# KiCad board vectorscope.kicad_pcb
title: Vectorscope Supercon.7 Badge; company: Hackaday
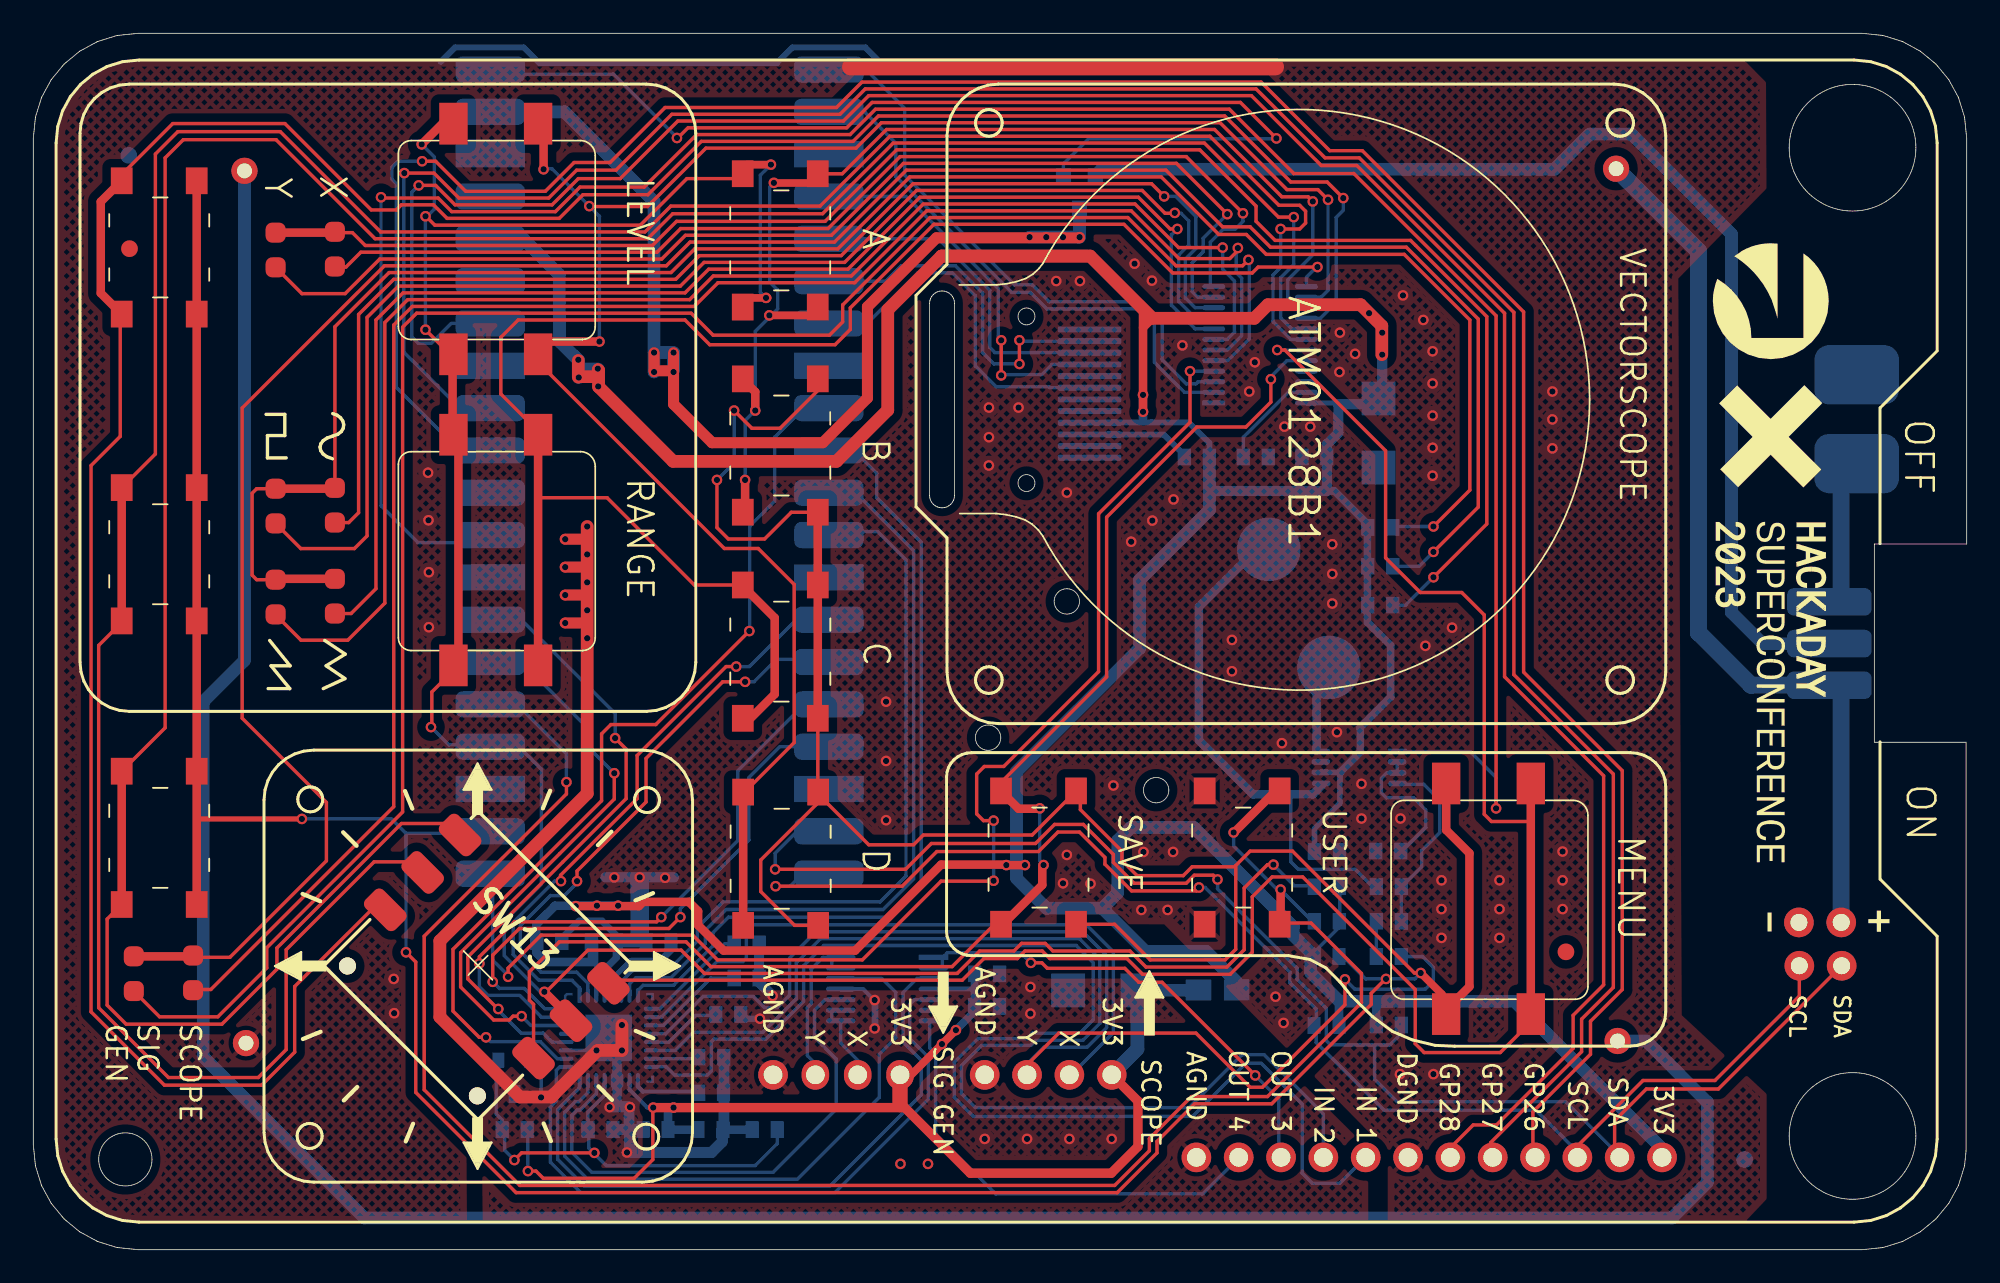
[diagram p0: board, top side]
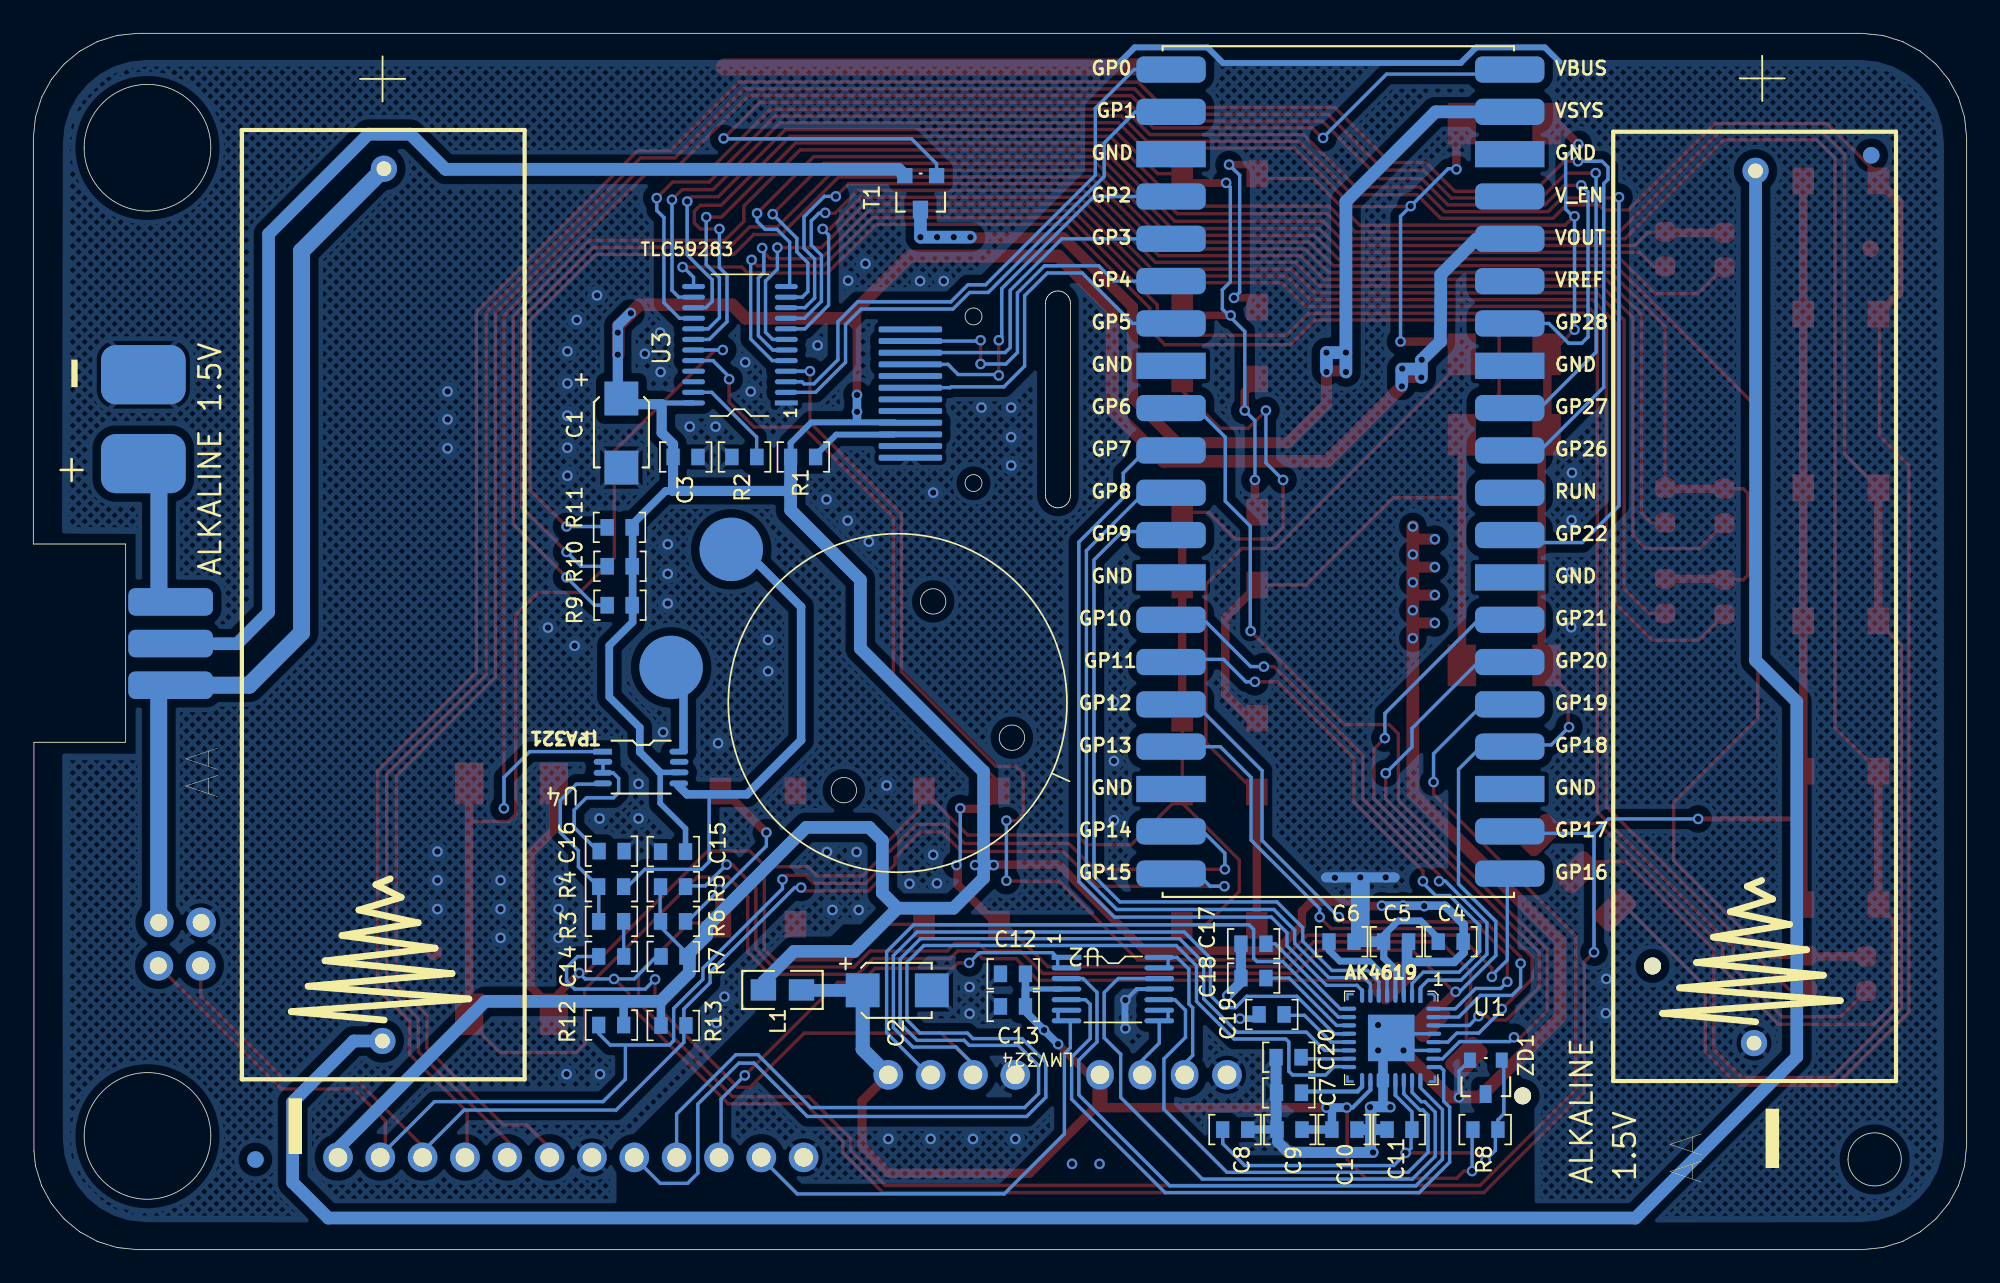
[diagram p1: board, bottom side, seen from below]

Outline 116 x 73 mm; copper layers: Top Layer, Bottom Layer. Coordinates in mm from the lower left corner of the outline.
Outline path: circle c57.29,30.73 r0.76 ; circle c59.59,56.01 r0.51 ; circle c59.59,46.01 r0.51 ; circle c62.01,38.91 r0.76 ; circle c67.37,27.58 r0.76 ; 0,66.72 0,6.28 0.13,5.02 0.5,3.84 1.08,2.78 1.85,1.85 2.78,1.08 3.84,0.5 5.02,0.13 6.28,0 109.72,0 110.98,0.13 112.16,0.5 113.22,1.08 114.15,1.85 114.92,2.78 115.5,3.84 115.87,5.02 115.96,5.91 115.96,30.45 110.46,30.45 110.46,42.35 116,42.35 116,66.72 115.87,67.98 115.5,69.16 114.92,70.22 114.15,71.15 113.22,71.92 112.16,72.5 110.98,72.87 109.72,73 6.28,73 5.02,72.87 3.84,72.5 2.78,71.92 1.85,71.15 1.08,70.22 0.5,69.16 0.13,67.98 0,66.72 ; 3.92,5.41 arc(5.52,7.01) 7.12,5.41 arc(5.52,3.81) 3.92,5.41 ; 53.77,56.79 53.79,56.94 53.83,57.08 53.9,57.21 53.99,57.32 54.1,57.41 54.23,57.48 54.37,57.52 54.52,57.54 54.67,57.52 54.81,57.48 54.94,57.41 55.05,57.32 55.14,57.21 55.21,57.08 55.26,56.94 55.27,56.79 55.27,45.27 55.26,45.12 55.21,44.98 55.14,44.85 55.05,44.74 54.94,44.65 54.81,44.58 54.67,44.54 54.52,44.52 54.37,44.54 54.23,44.58 54.1,44.65 53.99,44.74 53.9,44.85 53.83,44.98 53.79,45.12 53.77,45.27 53.77,56.79 ; 105.35,66.14 arc(109.15,69.94) 112.95,66.14 arc(109.15,62.34) 105.35,66.14 ; 105.35,6.83 arc(109.15,10.63) 112.95,6.83 arc(109.15,3.03) 105.35,6.83

## Placement (name value [footprint] x y rotation side)
C1  22uF  [_Users_Voja_Desktop_Projekti_Gio.PcbLib_Tantal]  80.77 49.01 90 bottom
C2  22uF  [_Users_Voja_Desktop_Projekti_Gio.PcbLib_Tantal]  64.17 15.51 0 bottom
C3  100nF  [_Users_Voja_Desktop_CUBE_ESP.PcbLib_TANTALUM KEMET C]  77.62 47.58 180 bottom
C4  100nF  [_Users_Voja_Desktop_CUBE_ESP.PcbLib_TANTALUM KEMET C]  31.71 18.48 180 bottom
C5  2u2  [_Users_Voja_Desktop_CUBE_ESP.PcbLib_TANTALUM KEMET C]  34.98 18.48 180 bottom
C6  2u2  [_Users_Voja_Desktop_CUBE_ESP.PcbLib_TANTALUM KEMET C]  38.26 18.48 180 bottom
C7  2u2  [_Users_Voja_Desktop_CUBE_ESP.PcbLib_TANTALUM KEMET C]  39.91 9.42 0 bottom
C8  2u2  [_Users_Voja_Desktop_CUBE_ESP.PcbLib_TANTALUM KEMET C]  43.14 7.21 0 bottom
C9  2u2  [_Users_Voja_Desktop_CUBE_ESP.PcbLib_TANTALUM KEMET C]  41.38 7.21 180 bottom
C10  100nF  [_Users_Voja_Desktop_CUBE_ESP.PcbLib_TANTALUM KEMET C]  36.58 7.21 0 bottom
C11  100nF  [_Users_Voja_Desktop_CUBE_ESP.PcbLib_TANTALUM KEMET C]  33.28 7.21 0 bottom
C12  2u2  [_Users_Voja_Desktop_CUBE_ESP.PcbLib_TANTALUM KEMET C]  57.97 16.55 180 bottom
C13  100nF  [_Users_Voja_Desktop_CUBE_ESP.PcbLib_TANTALUM KEMET C]  57.97 14.6 180 bottom
C14  100nF  [_Users_Voja_Desktop_CUBE_ESP.PcbLib_TANTALUM KEMET C]  82.08 17.6 180 bottom
C15  2u2  [_Users_Voja_Desktop_CUBE_ESP.PcbLib_TANTALUM KEMET C]  78.37 23.89 180 bottom
C16  2u2  [_Users_Voja_Desktop_CUBE_ESP.PcbLib_TANTALUM KEMET C]  80.55 23.92 0 bottom
C17  100nF  [_Users_Voja_Desktop_CUBE_ESP.PcbLib_TANTALUM KEMET C]  43.54 18.36 180 bottom
C18  100nF  [_Users_Voja_Desktop_CUBE_ESP.PcbLib_TANTALUM KEMET C]  43.54 16.3 180 bottom
C19  100nF  [_Users_Voja_Desktop_CUBE_ESP.PcbLib_TANTALUM KEMET C]  42.45 14.12 180 bottom
C20  100nF  [_Users_Voja_Desktop_CUBE_ESP.PcbLib_TANTALUM KEMET C]  41.44 11.55 180 bottom
L1  100nF  [0805]  72.2 15.59 180 bottom
LY1  -  [_Users_Voja_Desktop_ESP.PcbLib_LED0603]  6.03 16.56 270 top
LY2  -  [_Users_Voja_Desktop_ESP.PcbLib_LED0603]  9.58 16.61 270 top
LY3  -  [_Users_Voja_Desktop_ESP.PcbLib_LED0603]  14.54 39.17 270 top
LY4  -  [_Users_Voja_Desktop_ESP.PcbLib_LED0603]  18.09 39.22 270 top
LY5  -  [_Users_Voja_Desktop_ESP.PcbLib_LED0603]  14.54 44.63 270 top
LY6  -  [_Users_Voja_Desktop_ESP.PcbLib_LED0603]  18.09 44.68 270 top
LY7  -  [_Users_Voja_Desktop_ESP.PcbLib_LED0603]  14.54 60 270 top
LY8  -  [_Users_Voja_Desktop_ESP.PcbLib_LED0603]  18.09 60.05 270 top
M1  PICO  [_Users_Voja_Desktop_Projekti_Gio.PcbLib_PICO]  37.45 46.69 270 bottom
NOREF  -  [unnamed]  74.13 42.03 0 top
NOREF#2  -  [unnamed#2]  69.78 5.54 0 top
NOREF#3  -  [unnamed#16]  105.96 17.04 0 top
NOREF#4  -  [unnamed#17]  5.72 65.68 0 top
NOREF#5  -  [unnamed#18]  107.76 36.38 0 top
NOREF#6  -  [unnamed#3]  95.06 12.52 0 top
NOREF#7  -  [unnamed#2]  82.48 5.54 0 top
NOREF#8  -  [unnamed#19]  59.59 45.99 0 top
NOREF#9  -  [unnamed#16]  108.5 17.04 0 top
NOREF#10  -  [unnamed#4]  62.01 38.91 0 top
NOREF#11  -  [unnamed#5]  63.38 51.73 0 top
NOREF#12  -  [unnamed#16]  105.93 19.64 0 top
NOREF#13  -  [unnamed#20]  109.4 52.51 0 top
NOREF#14  -  [unnamed#16]  108.47 19.64 0 top
NOREF#15  -  [unnamed#3]  12.67 64.75 0 top
NOREF#16  -  [unnamed#23]  109.15 6.81 0 top
NOREF#17  -  [unnamed#4]  57.29 30.73 0 top
NOREF#18  -  [unnamed#6]  63.38 54.53 0 top
NOREF#19  -  [unnamed#18]  107.76 33.88 0 top
NOREF#20  -  [unnamed#2]  85.02 5.54 0 top
NOREF#21  -  [unnamed#21]  5.77 60.08 0 top
NOREF#22  -  [unnamed#7]  63.38 52.43 0 top
NOREF#23  -  [unnamed#24]  5.52 5.41 0 top
NOREF#24  -  [unnamed#8]  63.38 53.83 0 top
NOREF#25  -  [unnamed]  77.73 34.94 0 top
NOREF#26  -  [unnamed#4]  67.37 27.58 0 top
NOREF#27  -  [unnamed#22]  46.92 10.49 0 top
NOREF#28  -  [unnamed#2]  59.62 10.49 0 top
NOREF#29  -  [unnamed#9]  63.38 48.93 0 top
NOREF#30  -  [unnamed#2]  57.08 10.49 0 top
NOREF#31  -  [unnamed#10]  63.38 55.23 0 top
NOREF#32  -  [unnamed#10]  63.38 50.33 0 top
NOREF#33  -  [unnamed#10]  63.38 47.53 0 top
NOREF#34  -  [unnamed#2]  95.18 5.54 0 top
NOREF#35  -  [unnamed#22]  49.46 10.49 0 top
NOREF#36  -  [unnamed#2]  90.1 5.54 0 top
NOREF#37  -  [unnamed#19]  59.59 55.99 0 top
NOREF#38  -  [unnamed#2]  79.94 5.54 0 top
NOREF#39  -  [unnamed#20]  109.4 47.18 0 top
NOREF#40  -  [unnamed#11]  12.76 12.4 0 top
NOREF#41  -  [unnamed#23]  109.15 66.12 0 top
NOREF#42  -  [unnamed#2]  64.7 10.49 0 top
NOREF#43  -  [unnamed#17]  102.68 5.41 0 top
NOREF#44  -  [unnamed#22]  52 10.49 0 top
NOREF#45  -  [unnamed#2]  72.32 5.54 0 top
NOREF#46  -  [unnamed#2]  87.56 5.54 0 top
NOREF#47  -  [unnamed#21]  91.96 17.88 0 top
NOREF#48  -  [unnamed#2]  92.64 5.54 0 top
NOREF#49  -  [unnamed#18]  107.76 38.88 0 top
NOREF#50  -  [unnamed#10]  63.38 51.03 0 top
NOREF#51  -  [unnamed#12]  63.38 49.63 0 top
NOREF#52  -  [unnamed#2]  77.4 5.54 0 top
NOREF#53  -  [unnamed#13]  94.97 64.87 0 top
NOREF#54  -  [unnamed#14]  63.38 48.23 0 top
NOREF#55  -  [unnamed#2]  44.38 10.49 0 top
NOREF#56  -  [unnamed#2]  62.16 10.49 0 top
NOREF#57  -  [unnamed#15]  63.38 53.13 0 top
NOREF#58  -  [unnamed#2]  97.72 5.54 0 top
NOREF#59  -  [unnamed#2]  74.86 5.54 0 top
R1  22R  [_Users_Voja_Desktop_CUBE_ESP.PcbLib_TANTALUM KEMET C]  70.56 47.58 180 bottom
R2  2K7  [_Users_Voja_Desktop_CUBE_ESP.PcbLib_TANTALUM KEMET C]  74.09 47.58 180 bottom
R3  47K  [_Users_Voja_Desktop_CUBE_ESP.PcbLib_TANTALUM KEMET C]  82.08 19.7 180 bottom
R4  22K  [_Users_Voja_Desktop_CUBE_ESP.PcbLib_TANTALUM KEMET C]  82.08 21.79 180 bottom
R5  4K7  [_Users_Voja_Desktop_CUBE_ESP.PcbLib_TANTALUM KEMET C]  78.37 21.79 180 bottom
R6  4K7  [_Users_Voja_Desktop_CUBE_ESP.PcbLib_TANTALUM KEMET C]  78.37 19.7 180 bottom
R7  4K7  [_Users_Voja_Desktop_CUBE_ESP.PcbLib_TANTALUM KEMET C]  76.84 17.6 0 bottom
R8  82R  [_Users_Voja_Desktop_CUBE_ESP.PcbLib_TANTALUM KEMET C]  28.13 7.21 0 bottom
R9  330R  [_Users_Voja_Desktop_CUBE_ESP.PcbLib_TANTALUM KEMET C]  81.57 38.68 180 bottom
R10  330R  [_Users_Voja_Desktop_CUBE_ESP.PcbLib_TANTALUM KEMET C]  81.57 41.01 180 bottom
R11  330R  [_Users_Voja_Desktop_CUBE_ESP.PcbLib_TANTALUM KEMET C]  80.07 43.35 0 bottom
R12  2K7  [_Users_Voja_Desktop_CUBE_ESP.PcbLib_TANTALUM KEMET C]  82.08 13.48 180 bottom
R13  2K7  [_Users_Voja_Desktop_CUBE_ESP.PcbLib_TANTALUM KEMET C]  76.84 13.46 0 bottom
SW1  tactile key  [_Users_Voja_Documents_GitHub_willo-pcb_ESP.PcbLib_key4p]  72.53 23.53 270 top
SW2  tactile key  [_Users_Voja_Documents_GitHub_willo-pcb_ESP.PcbLib_key4p]  60.31 23.53 270 top
SW3  tactile key  [_Users_Voja_Documents_GitHub_willo-pcb_ESP.PcbLib_key4p]  44.81 60.57 270 top
SW4  tactile key  [_Users_Voja_Documents_GitHub_willo-pcb_ESP.PcbLib_key4p]  44.82 48.26 270 top
SW5  tactile key  [_Users_Voja_Documents_GitHub_willo-pcb_ESP.PcbLib_key4p]  44.82 35.89 270 top
SW6  tactile key  [_Users_Voja_Documents_GitHub_willo-pcb_ESP.PcbLib_key4p]  44.84 23.46 270 top
SW7  tactile key  [_Users_Voja_Documents_GitHub_willo-pcb_ESP.PcbLib_key4p]  7.55 60.15 270 top
SW8  tactile key  [_Users_Voja_Documents_GitHub_willo-pcb_ESP.PcbLib_key4p]  7.55 41.73 270 top
SW9  tactile key  [_Users_Voja_Documents_GitHub_willo-pcb_ESP.PcbLib_key4p]  7.55 24.72 270 top
SW10  Comment  [key 12x12 SMD]  87.31 21.06 0 top
SW11  Comment  [key 12x12 SMD]  27.75 60.66 0 top
SW12  Comment  [key 12x12 SMD]  27.75 41.99 0 top
SW13  Comment  [_Users_Voja_Desktop_Projekti_Gio.PcbLib_JOYSTICK 2]  26.68 17.06 315 top
T1  DMN65D8L-7  [SOT-23]  61.81 64.46 0 bottom
U1  -  [AK4619]  32.77 15.26 0 bottom
U2  LMV324  [TSSOP 14]  51.19 15.64 180 bottom
U3  TLC59283  [_Users_Voja_Desktop_Projekti_Gio.PcbLib_TQFN24]  73.57 54.32 0 bottom
U4  TPA321  [_Users_Voja_Desktop_CUBE_ESP.PcbLib_MSOP8]  77.25 29.89 180 bottom
ZD1  LM4040  [SOT-23#2]  27.9 11.37 0 bottom

## Footprints (pads in the part's own frame, mm; a bottom-side part is the same pattern mirrored in y, then rotated)
0805
  rect 1.524x1.27 smd: L(0,0) L(2.286,0)
_Users_Voja_Desktop_CUBE_ESP.PcbLib_MSOP8
  oval 1.118x0.35 smd: BYP(-4.572,-0.61) GND(0,-0.61) IN+(-4.572,-1.27) IN-(-4.597,-1.905) Vdd(0,-1.245) Vo+(-0.025,-1.905) Vo-(-0.025,0)
  rect 1.118x0.35 smd: SHDN(-4.597,0)
_Users_Voja_Desktop_CUBE_ESP.PcbLib_TANTALUM KEMET C
  rect 0.8x1 smd: (0,0) (1.499,0)
_Users_Voja_Desktop_ESP.PcbLib_LED0603
  rrect 1.2x1.2 smd: (1.041,0) +(-1.041,0)
_Users_Voja_Desktop_Projekti_Gio.PcbLib_JOYSTICK 2
  round 1.016 hole 1.016: (-5.512,-5.563) (5.512,-5.563)
  rrect 2.54x1.524 smd: A(-6.292,4.774) B(6.293,4.774) C(-6.292,-1.578) COM(6.293,1.598) D(6.293,-1.578) SW5(-6.292,1.598)
_Users_Voja_Desktop_Projekti_Gio.PcbLib_PICO
  rrect 1.575x4.166 smd: 3V3(-13.98,10.033) 3V3_EN(-16.52,10.033) ADC_VREF(-11.44,10.033) GP0(-24.14,-10.287) GP1(-21.6,-10.287) GP2(-16.52,-10.287) GP3(-13.98,-10.287) GP4(-11.44,-10.287) GP5(-8.9,-10.287) GP6(-3.82,-10.287) GP7(-1.28,-10.287) GP8(1.26,-10.287) GP9(3.8,-10.287) GP10(8.88,-10.287) GP11(11.42,-10.287) GP12(13.96,-10.287) GP13(16.5,-10.287) GP14(21.58,-10.287) GP15(24.12,-10.287) GP16(24.12,10.033) GP17(21.58,10.033) GP18(16.5,10.033) GP19(13.96,10.033) GP20(11.42,10.033) GP21(8.88,10.033) GP22(3.8,10.033) GP26_A0(-1.28,10.033) GP27_A1(-3.82,10.033) GP28_A2(-8.9,10.033) RUN(1.26,10.033) VBUS(-24.14,10.033) VSYS(-21.6,10.033)
  rect 1.575x4.166 smd: AGND(-6.36,10.033) GND(-19.06,-10.287) GND(-19.06,10.033) GND(-6.36,-10.287) GND(6.34,-10.287) GND(6.34,10.033) GND(19.04,-10.287) GND(19.04,10.033)
_Users_Voja_Desktop_Projekti_Gio.PcbLib_Tantal
  rect 2.032x2.032 smd: +(2.073,-0.051) -(-2.075,-0.051)
_Users_Voja_Desktop_Projekti_Gio.PcbLib_TQFN24
  oval 1.372x0.305 smd: 0(-2.743,0.965) 1(-2.743,0.33) 2(-2.743,-0.305) 3(-2.743,-0.94) 4(-2.743,-1.575) 5(-2.743,-2.21) 6(-2.743,-2.845) 7(-2.743,-3.48) 8(2.819,-3.48) 9(2.819,-2.845) 10(2.819,-2.21) 11(2.819,-1.575) 12(2.819,-0.94) 13(2.819,-0.305) 14(2.819,0.33) 15(2.819,0.965) +V(2.819,3.505) CLK(-2.743,2.235) LD(-2.743,1.6) OE(2.819,1.6) REXT(2.819,2.87) SDI(-2.743,2.87) SDO(2.819,2.235)
  rect 1.372x0.305 smd: GND(-2.743,3.505)
_Users_Voja_Documents_GitHub_willo-pcb_ESP.PcbLib_key4p
  rect 1.6x1.3 smd: (-4,2.25) (-4,-2.25) (4,2.25) (4,-2.25)
AK4619
  rect 2.794x2.794 smd: (1.75,2.55)
  rect 0.152x0.432 smd: 0(-0.869,5.024) 0(4.369,0.076) 0(4.376,5.016)
  rect 0.152x0.371 smd: 0(-0.864,0.178)
  rect 0.198x0.152 smd rot 45: 0(-0.813,-0.025)
  rect 0.432x0.152 smd: 0(-0.716,5.176) 0(4.216,-0.076) 0(4.224,5.169)
  rect 0.371x0.152 smd: 0(-0.61,-0.076)
  oval 0.25x0.889 smd: AOUT1L(1,5.1) AOUT2L(0,5.1) AOUT2R(0.5,5.1) AVDD(3,5.1) AVDRV(2,0) BICK(3,0) LRCK(2.5,0) MCLK(3.5,0) SDIN2(0.5,0) TVDD(1,0) VCOM(3.5,5.1) VREFH(1.5,5.1) VREFL(2,5.1) VSS1(2.5,5.1) VSS2(1.5,0)
  oval 0.889x0.25 smd: AOUT2R(-0.8,4.3) CAD/CSN(-0.8,3.3) IN1N/AIN2L/GND3L(4.3,3.8) IN1P/AIN1L/AIN3L(4.3,4.3) IN2N/AIN2R/GDN3R(4.3,2.8) IN2P/AIN1R/AIN3R(4.3,3.3) IN3N/AIN5L/GND6L(4.3,1.8) IN3P/AIN4L/AIN6L(4.3,2.3) IN4N/AIN5R/GND6R(4.3,0.8) IN4P/AIN4L/AIN6R(4.3,1.3) PDN(-0.8,3.8) SCL/SCLK(-0.8,2.8) SDA/SO(-0.8,1.8) SDOUT1(-0.8,1.3) SDOUT2(-0.8,0.8) SI(-0.8,2.3)
  rect 0.25x0.889 smd: SDIN1(0,0)
key 12x12 SMD
  rect 1.7x2.5 smd: (-2.54,-6.922) (-2.54,6.922) (2.54,6.922) (2.54,-6.921)
SOT-23
  rect 0.914x0.914 smd: 1(0,0) 2(1.905,0)
  rect 0.914x1.067 smd: 3(0.965,2.032)
SOT-23#2
  rect 0.711x0.914 smd: 1(0,0) 2(1.905,0)
  rect 0.711x1.067 smd: 3(0.965,2.032)
TSSOP 14
  oval 1.778x0.305 smd: +IN(-2.819,-0.635) +IN(-2.819,0.635) +IN(2.743,-0.635) +IN(2.743,0.635) +V(-2.819,0) -IN(-2.819,-1.27) -IN(-2.819,1.27) -IN(2.743,-1.27) -IN(2.743,1.27) GND(2.743,0) OUT(-2.819,-1.905) OUT(2.743,-1.905) OUT(2.743,1.905)
  rect 1.778x0.305 smd: OUT(-2.819,1.905)
unnamed
  round 3.81 smd far side: SPK(0,0)
unnamed#2
  round 1.778 hole 1.118: (0,0)
unnamed#16
  round 1.778 hole 1.016: (0,0)
unnamed#17
  round 1 smd far side: (0,0)
unnamed#18
  rrect 5.08x1.651 smd far side: (0,0)
unnamed#19
  round 0.001 hole 1.016: (0,0)
unnamed#20
  rrect 5.08x3.556 smd far side: (0,0)
unnamed#21
  round 1 smd: (0,0)
unnamed#22
  oval 1.651x1.778 hole 1.118: (0,0)
unnamed#3
  round 1.575 hole 0.889: 1V5(0,0)
unnamed#4
  round 0.001 hole 1.524: HOLE(0,0)
unnamed#23
  round 0.001 hole 7.62: HOLE(0,0)
unnamed#24
  round 0.001 hole 3.175: HOLE(0,0)
unnamed#5
  rrect 3.81x0.356 smd far side: D/C(0,0)
unnamed#6
  rrect 3.81x0.356 smd far side: -RESET(0,0)
unnamed#7
  rrect 3.81x0.356 smd far side: -CS(0,0)
unnamed#8
  rrect 3.81x0.356 smd far side: SDA(0,0)
unnamed#9
  rrect 3.81x0.356 smd far side: LEDA(0,0)
unnamed#10
  rrect 3.81x0.356 smd far side: GND(0,0)
unnamed#11
  round 1.575 hole 0.889: 0V(0,0)
unnamed#12
  rrect 3.81x0.356 smd far side: VDD(0,0)
unnamed#13
  round 1.575 hole 0.889: 3V(0,0)
unnamed#14
  rrect 3.81x0.356 smd far side: LEDC(0,0)
unnamed#15
  rrect 3.81x0.356 smd far side: SCL(0,0)

## Nets
3V3: NOREF#58.
AGND: C2.- C7. C8. C9. C10. C11. C12. C13. C18. C19. C20. NOREF#2. NOREF#30. NOREF#55. U1. U1.CAD/CSN U1.SI U1.VREFL U1.VSS1 U2.GND ZD1.2
GND: C1.- C3. C4. C5. C6. C15. C16. M1.AGND M1.GND NOREF#7. NOREF#12. NOREF#13. NOREF#22.-CS NOREF#31.GND NOREF#32.GND NOREF#33.GND NOREF#40.0V NOREF#50.GND NOREF#54.LEDC R2. SW1. U3.GND U3.OE U4.GND

Pads without a net: C1 +; C2 +; L1 L; LY1 +; LY2 +; LY3 +; LY4 +; LY5 +; LY6 +; LY7 +; LY8 +; M1 3V3 3V3_EN ADC_VREF GP0 GP1 GP2 GP3 GP4 GP5 GP6 GP7 GP8 GP9 GP10 GP11 GP12 GP13 GP14 GP15 GP16 GP17 GP18 GP19 GP20 GP21 GP22 GP26_A0 GP27_A1 GP28_A2 RUN VBUS VSYS; NOREF SPK; NOREF#6 1V5; NOREF#10 HOLE; NOREF#11 D/C; NOREF#15 1V5; NOREF#16 HOLE; NOREF#17 HOLE; NOREF#18 -RESET; NOREF#23 HOLE; NOREF#24 SDA; NOREF#25 SPK; NOREF#26 HOLE; NOREF#29 LEDA; NOREF#41 HOLE; NOREF#51 VDD; NOREF#53 3V; NOREF#57 SCL; SW13 A B C COM D SW5; T1 1 2 3; U1 0 AOUT1L AOUT2L AOUT2R AVDD AVDRV BICK IN1N/AIN2L/GND3L IN1P/AIN1L/AIN3L IN2N/AIN2R/GDN3R IN2P/AIN1R/AIN3R IN3N/AIN5L/GND6L IN3P/AIN4L/AIN6L IN4N/AIN5R/GND6R IN4P/AIN4L/AIN6R LRCK MCLK PDN SCL/SCLK SDA/SO SDIN1 SDIN2 SDOUT1 SDOUT2 TVDD VCOM VREFH VSS2; U2 +IN +V -IN OUT; U3 0 1 2 3 4 5 6 7 8 9 10 11 12 13 14 15 +V CLK LD REXT SDI SDO; U4 BYP IN+ IN- SHDN Vdd Vo+ Vo-; ZD1 1 3

## Via types
v1: diameter 0.635, hole 0.381, Top Layer to Bottom Layer, 213 vias

## Routing (per net, layer and track width the routed paths; a pad name or vN(x,y) marks a point on that pad's centre or on a via; arc(x,y) is an arc through that point)
3V3: length 298.4
  Top Layer w0.508: v1(32.55,20.62) 36.33,20.62 36.58,20.87 39.33,20.87 39.89,20.31 39.89,19.48 41.41,17.95 49.31,17.95 54.47,23.11 58.38,23.11 ; 58.43,23.08 v1(59.5,23.08) ; 66.58,55.34 67.14,55.9 ; v1(66.58,50.29) 66.58,56.36
  Top Layer w0.762: 32.7,52.37 32.7,53.36 ; 32.77,52.39 33.69,52.39 ; 33.89,52.8 33.92,52.77 33.92,51.78 38.39,47.31 48.19,47.31 51.27,50.39 51.27,56.41 54.49,59.63 ; 54.49,59.63 63.18,59.63 ; 54.49,59.63 63.41,59.63 67.14,55.9 73.26,55.9 74.07,56.71 79.64,56.71 80.91,55.44 80.91,53.71
  Bottom Layer w0.203: 67.12,49.68 arc(67.1,49.7) 67.09,49.74 ; 76.77,17.77 78.55,19.55 ; 76.89,16.99 76.89,17.67 ; 78.39,19.7 78.39,21.79
  Bottom Layer w0.241: 33.77,15.26 33.77,18.61
  Bottom Layer w0.305: 76.39,50.82 78.3,50.82
  Bottom Layer w0.33: 76.87,23.89 76.87,25.27 78.39,26.79 78.39,28.64 ; 77.25,28.64 78.52,28.64
  Bottom Layer w0.356: 64.34,49.65 69.32,49.65 70.56,48.41 70.56,47.58
  Bottom Layer w0.406: 33.46,17.39 33.46,18.15
  Bottom Layer w0.457: 77.62,45.54 78.06,45.54 80.04,43.55 80.04,37.66 81.44,36.26 81.44,33.17 79.61,31.34 79.61,29.86 78.39,28.64
  Bottom Layer w0.508: 33.64,17.27 30.74,17.27 30.18,17.82 30.18,19.53 31.3,20.64 v1(35.09,20.64) ; 66.58,49.74 v1(66.58,51.3) ; 78.34,13.46 78.34,14.95 ; 80.58,13.48 80.58,14.98
  Bottom Layer w0.61: v1(58.38,23.08) 58.99,23.08 ; 70.56,45.23 70.87,45.54 77.62,45.54 77.62,48.34 78.3,49.03 78.3,50.74 80.68,50.74 ; 80.17,56.23 80.93,55.47 80.93,51.94
  Bottom Layer w0.762: 28.05,60.65 29.42,60.65 31.56,58.52 31.56,56.89 31.58,54.5 32.71,53.38 v1(32.72,52.34) ; 32.72,52.85 33.89,52.85 ; 33.89,51.91 33.89,52.75 ; 64.14,20.49 60.79,20.49 58.99,22.29 58.99,28.7 66.38,36.09 66.38,40.2 70.56,44.39 70.56,47.58 ; 64.14,20.49 65.06,21.41 65.06,24.56 65.85,25.34 69.63,25.34 75.6,19.37 75.6,18.87 76.64,17.82 76.64,16.63 78.37,14.9 88.88,14.9 97.6,6.19 97.6,5.54 ; 64.14,20.49 66.73,17.9 70.37,17.9 72.17,16.1 72.17,15.64 ; 70.57,45.84 70.57,45.94
  vias: v1(32.7,53.41) v1(33.82,20.64) v1(33.87,52.88) v1(33.89,51.81) v1(80.15,56.2) v1(80.93,55.04) v1(80.93,53.71)
AGND: length 90.9
  Top Layer w0.66: v1(31.91,39.29) 33.18,39.29 ; v1(31.91,37.61) 33.23,37.61 ; v1(31.91,42.64) 33.18,42.64 ; v1(31.91,40.96) 33.13,40.96
  Top Layer w0.762: 31.07,9.16 33.87,11.96 v1(35.31,11.96) v1(35.31,13.48) ; 31.07,9.16 29.19,9.16 24.39,13.96 24.39,18.54 33.23,27.37 v1(33.23,43.4) ; 31.07,9.16 31.22,9.32
  Bottom Layer w0.203: U1.CAD/CSN 33.76,11.96 ; v1(30.46,9.14) 30.46,10.71 ZD1.2 ; U1.SI 34.13,12.96 ; 34.78,9.85 35.29,9.85 ; 35.67,8.58 35.72,8.53
  Bottom Layer w0.241: 48.42,15.64 49.79,15.64 50.47,14.97
  Bottom Layer w0.381: 42.32,13.86 43.62,13.86
  Bottom Layer w0.406: 50.5,13.28 50.5,14.98 ; 35.72,8.53 35.8,8.53
  Bottom Layer w0.508: 41.43,7.21 43.04,7.21
  Bottom Layer w0.559: 35.02,8.63 35.02,12.07
  Bottom Layer w0.61: 43.54,18.1 43.54,16.05 v1(44.36,15.23)
  Bottom Layer w0.66: 35.77,5.89 35.77,7.21 ; v1(35.62,5.84) 40.7,5.84 41.33,6.47 41.33,7.21 ; 41.44,7.22 41.44,11.55 ; 34.78,7.21 36.42,7.21 ; 35.75,7.28 35.75,8.55 ; 34.7,8.58 35.67,8.58
  vias: v1(33.23,41.73) v1(33.23,40.05) v1(33.23,38.37) v1(33.23,36.7) v1(33.79,11.96) v1(34.58,8.55) v1(35.8,8.55) v1(43.59,13.86) v1(50.48,14.98) v1(50.48,13.28) v1(52.03,5.15) v1(53.68,5.15) v1(57.08,6.65) v1(59.62,6.65) v1(59.83,15.77) v1(59.83,14.17) v1(62.16,6.65) v1(64.7,6.65)
GND: length 128.3
  Top Layer w0.203: v1(27.16,12.74) 26.75,12.74 25.18,14.32 25.18,18.03 34.1,26.94 34.1,30.96 34.65,31.51 37.35,31.51 43.09,37.26
  Top Layer w1.016: 49.03,70.99 74.53,70.99
  Bottom Layer w0.203: v1(27.16,12.74) 27.41,12.49 30.41,12.49 31.44,11.46 31.97,11.46 ; 34.25,16.63 35.09,17.47 35.09,18.28 ; 42.99,37.13 42.99,43.43 44.48,44.93 44.48,48.76 46.24,50.51 47.53,50.51
  Bottom Layer w0.241: 34.27,15.11 34.27,16.94 34.88,17.54 34.88,18.48
  Bottom Layer w0.356: 24.44,71.29 25.31,72.15 29.42,72.15 30.36,71.22 44.61,71.22 ; 44.61,71.22 45.55,72.15 49.92,72.15 50.81,71.27
  Bottom Layer w0.406: 31.81,18.81 31.83,18.81 32.75,19.73 34.12,19.73 35.16,18.69
  Bottom Layer w0.61: 34.32,22.35 38.44,22.35
  Bottom Layer w0.66: 34.98,18.48 36.76,18.48
  Bottom Layer w1.118: 36.38,18.76 36.38,22.12
  vias: v1(21.62,16.25) v1(21.65,14.19) v1(23.68,46.63) v1(23.71,43.78) v1(23.73,40.66) v1(23.73,37.36) v1(34.86,22.35) v1(36.38,22.35) v1(37.91,22.32) v1(42.96,37.13) v1(51.16,32.89) v1(51.16,29.33) v1(51.16,25.77) v1(57.34,50.54) v1(57.34,48.76) v1(57.33,47.06) v1(59.11,50.54) v1(61.37,58.13) v1(61.78,21.99) v1(62.01,45.43) v1(62.01,23.69) v1(62.8,58.13) v1(63.43,21.96) v1(64.8,27.86) v1(65.87,42.49) v1(66.07,59.18) v1(66.48,20.39) v1(66.61,23.87) v1(67.12,58.16) v1(67.14,43.76) v1(68.05,20.39) v1(68.41,45.03) v1(68.39,23.87) v1(68.94,54.27) v1(71.92,36.59) v1(71.92,34.72) v1(72.96,51.5) v1(73.29,53.26) v1(74.53,15.18) v1(74.91,30.4) v1(75.01,13.61) v1(75.07,49.4) v1(76.61,49.4) v1(77.94,42.34) v1(77.94,40.56) v1(77.94,38.78) v1(78.21,31.06) v1(78.39,55.04) v1(78.37,52.67) v1(79.31,53.77) v1(79.69,27.96) v1(79.69,25.88) v1(82.02,25.88) v1(82,10.53) v1(82.18,57.27) v1(83.4,55.8) v1(83.52,36.24) v1(83.96,53.92) v1(83.96,51.99) v1(83.96,50.06) v1(83.96,48.13) v1(83.96,46.45) v1(84.01,10.53) v1(84.49,22.17) v1(84.49,20.44) v1(84.49,18.71) v1(85.12,37.33) v1(87.97,22.17) v1(87.97,20.44) v1(87.97,18.71) v1(91.14,51.5) v1(91.14,49.83) v1(91.14,48.09) v1(91.75,23.89) v1(91.75,22.17) v1(91.75,20.44)
(no net):
  vias: v1(16.11,25.85) v1(20.86,63.16) v1(22.26,64.61) v1(22.36,17.85) v1(23.12,63.87) v1(23.3,66.34) v1(23.33,65.32) v1(23.53,62.02) v1(23.53,55.21) v1(23.86,31.36) v1(26.76,17.18) v1(27.56,16.08) v1(27.9,14.45) v1(28.49,16.38) v1(28.86,5.38) v1(29.29,14.01) v1(29.68,4.72) v1(30.62,64.84) v1(30.66,15.48) v1(31.66,22.12) v1(31.99,28.06) v1(32.62,22.12) v1(33.36,62.63) v1(33.66,5.81) v1(33.97,54.5) v1(34.91,30.7) v1(34.86,28.59) v1(37.24,53.84) v1(37.24,52.67) v1(37.19,8.53) v1(37.68,19.96) v1(38.41,53.84) v1(38.41,52.67) v1(38.41,8.53) v1(38.62,66.72) v1(38.82,19.96) v1(41.02,46.2) v1(42.05,50.36) v1(42.17,34.99) v1(42.71,46.2) v1(42.71,34.08) v1(43.32,50.36) v1(43.96,57.12) v1(44.16,56.07) v1(44.26,65.12) v1(44.43,64.03) v1(44.51,22.83) v1(44.53,21.81) v1(54.52,12.34) v1(55.35,13.18) v1(57.62,25.75) v1(57.62,22.14) v1(58.07,54.58) v1(58.07,52.47) v1(59.16,54.58) v1(59.16,53.16) v1(59.78,60.77) v1(59.85,17.21) v1(60.38,26.49) v1(60.61,23.08) v1(60.78,60.77) v1(61.78,60.77) v1(62.78,60.77) v1(67.85,63.21) v1(68.49,62.22) v1(68.64,61.26) v1(69.4,52.72) v1(69.93,21.74) v1(71.05,22.22) v1(71.36,60.14) v1(71.64,62.15) v1(72.02,25.04) v1(72.27,60.12) v1(72.58,62.2) v1(72.91,59.4) v1(73.31,10.46) v1(74.25,52.24) v1(74.4,23.11) v1(74.58,66.69) v1(74.63,53.99) v1(74.84,61.26) v1(74.84,21.61) v1(75.62,61.97) v1(76.77,62.91) v1(77.05,58.97) v1(77.68,63.01) v1(78.6,63.11) v1(78.7,16.22) v1(81.16,16.25) v1(83.24,16.61) v1(84.01,43.4) v1(84.01,41.88) v1(84.01,40.35) v1(87.77,26.49)

## Copper pours and planes (outline as drawn; the poured copper is in the pictures)
AGND on Top Layer: 26.96,1.64 80.09,1.7 80.09,6.06 67.39,18.66 36.36,18.71 26.9,9.23
AGND on Bottom Layer: 26.81,2.25 26.83,9.16 32.37,14.8 38.62,14.8 42.5,18.66 67.09,18.66 80.04,5.73 80.02,2.28
GND on Top Layer: 3.64,70.54 4.49,71.01 5.43,71.3 6.43,71.4 102.65,71.39 103.96,70.06 103.99,63.68 98.7,58.28 98.91,14.07 104,9.35 104,3.04 102.7,1.67 81.26,1.7 81.26,5.91 67.85,19.53 35.95,19.58 25.97,9.59 26.02,1.62 6.43,1.65 5.43,1.75 4.49,2.05 3.64,2.51 2.91,3.12 2.3,3.86 1.83,4.7 1.54,5.64 1.44,6.64 1.44,66.41 1.54,67.41 1.83,68.35 2.3,69.2 2.91,69.93
GND on Bottom Layer: 2.83,69.93 2.22,69.2 1.76,68.35 1.47,67.41 1.36,66.41 1.36,6.64 1.47,5.64 1.76,4.7 2.22,3.86 2.83,3.12 3.57,2.51 4.42,2.05 5.35,1.75 6.35,1.65 25.92,1.62 25.94,9.57 31.73,15.56 38.59,15.56 42.35,19.53 67.39,19.53 81.01,5.91 81.01,1.62 109.24,1.65 110.25,1.75 111.18,2.05 112.03,2.51 112.77,3.12 113.38,3.86 113.84,4.7 114.13,5.64 114.23,6.64 114.26,29.78 109.86,29.76 109.86,42.96 114.28,42.98 114.23,66.41 114.13,67.41 113.84,68.35 113.38,69.2 112.77,69.93 112.03,70.54 111.18,71.01 110.25,71.3 109.24,71.4 6.35,71.4 5.35,71.3 4.42,71.01 3.57,70.54

## Text on the board
Bottom Overlay: 1 | TLC59283 | VBUS | VSYS | GND | V_EN | VOUT | VREF | GP28 | GP27 | GP26 | RUN | GP22 | GP21 | GP20 | GP19 | GP18 | GP17 | GP16 | GP1 | GP0 | GP2 | GP3 | GP4 | GP5 | GP6 | GP7 | GP8 | GP9 | GP11 | GP10 | GP12 | GP13 | GP14 | GP15 | ZD1 | R8 | C11 | C10 | C7 | C20 | C9 | C8 | C19 | C18 | C17 | C2 | T1 | R1 | L1 | R2 | C15 | R5 | R6 | R7 | R13 | C3 | C1 | R11 | R10 | R9 | R3 | R4 | C14 | R12 | C16 | + | C4 | C5 | C6 | C13 | C12 | U3 | 1.5V | ALKALINE | ALKALINE 1.5V | AA
Top Overlay: SCL | SDA | AGND | Y | X | 3V3 | OUT 4 | OUT 3 | IN 2 | IN 1 | DGND | GP28 | GP27 | GP26 | SIG GEN | SCOPE | GEN | SIG | SAVE | USER | VECTORSCOPE | LEVEL | RANGE | A | B | D | C | MENU | OFF | ON | ATM0128B1
Mechanical 3: 32 | 25 | 24 | 1 | 8 | 17 | 16 | 9 | SI | SCK | OUT2 | OUT1R | OUT1L | VREF | AVdd | IN1 | 100nF | 2u2 | 100n | 4K7 | 2K7 | 22K | 47K | 330R | ZD1 | 22 | D0 | E0 | F0 | D1 | F1 | E1 | H1 | B1 | A1 | G1 | A0 | C0 | B0 | C1 | H0 | G0
